# Altium PCB MOTHER_BOARD_LS1021_v1.0.PcbDoc (part 14 of 15)
Units mm, origin at the board's own origin, x right, y up, seen from the top; angles counter-clockwise.
Board outline 285 x 90.6 mm, 10 copper layers (TOP, GND1, SIGNAL1, GND+PWR1, POWER1, POWER2, GND+PWR2, SIGNAL2, GND2, BOTTOM), stack 1.739 mm thick; 1099 components, 832 nets, 4657 pads, 2737 vias.
Unrouted connection lines stored in the file: 7.
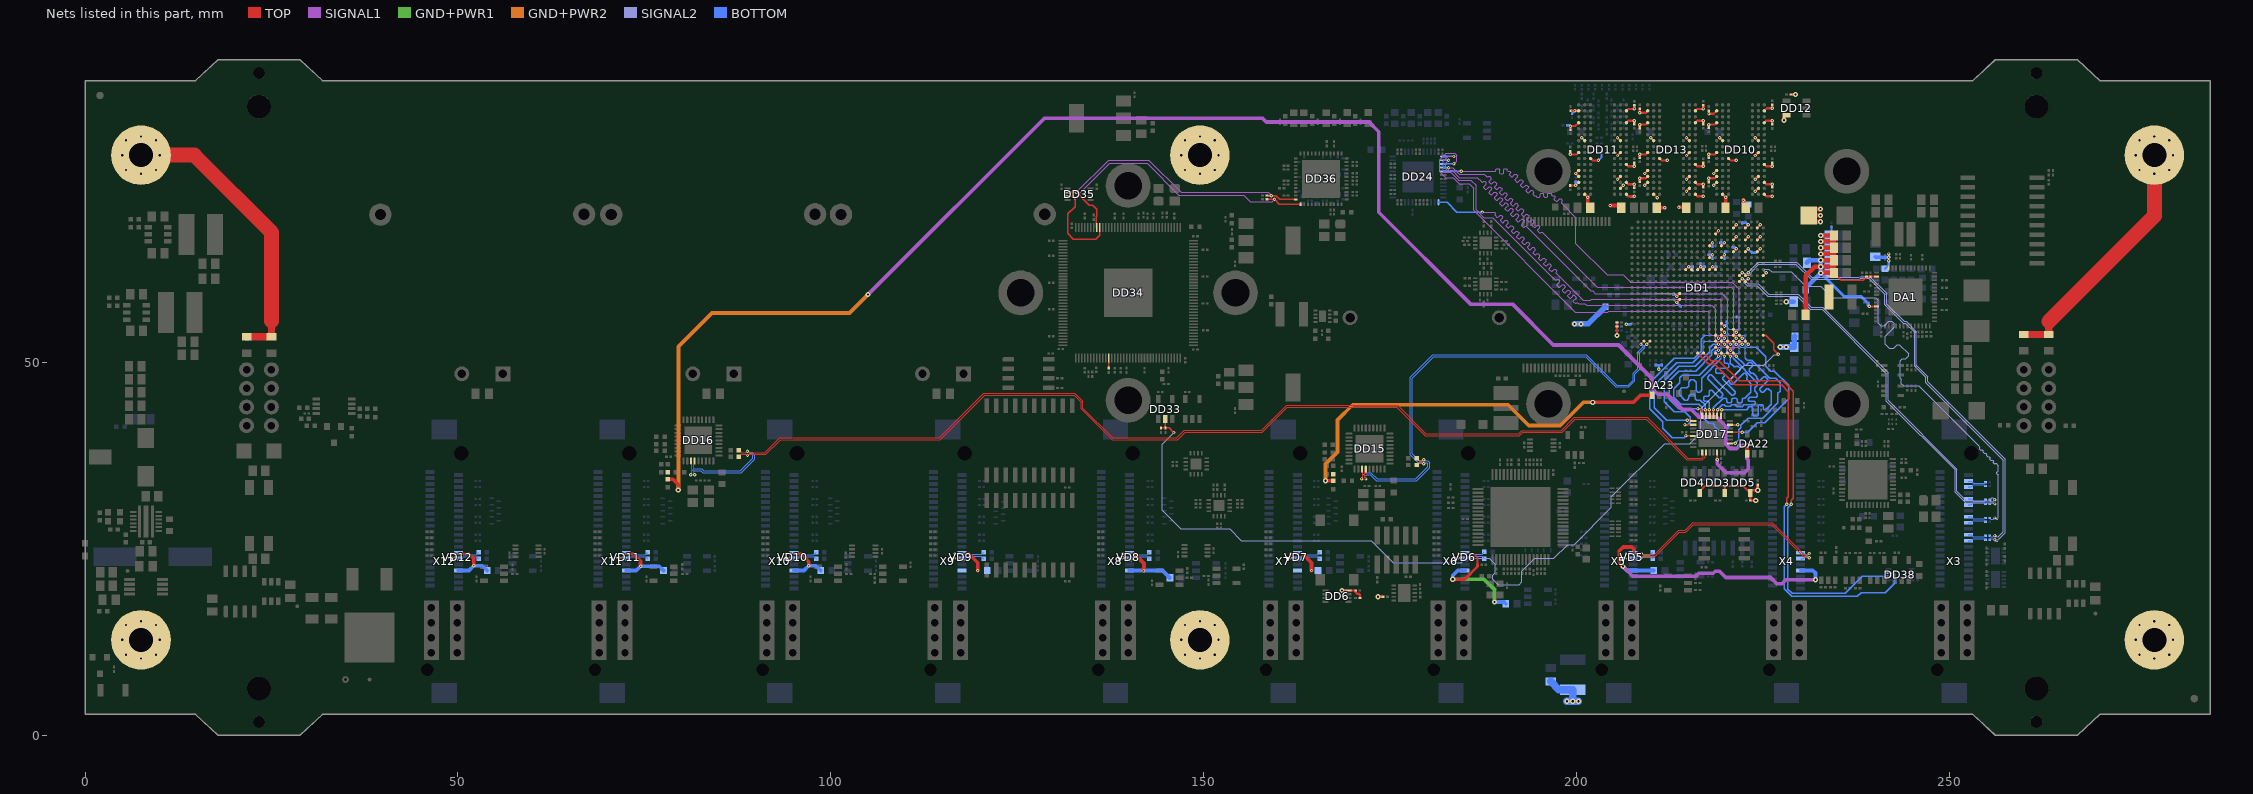
[diagram p22: the nets of this part, all layers, seen from the top]

## Via types
v1: diameter 0.45, hole 0.2, TOP to BOTTOM, tented both sides, 1587 vias
v2: diameter 0.7, hole 0.3, TOP to BOTTOM, tented both sides, 1134 vias
v3: diameter 0.45, hole 0.2, TOP to BOTTOM, tented bottom, 16 vias

## Nets (pads, with @x,y where several pads share a name; then routed paths per layer and width w, separated by ;. In a path a pad name is that pad's centre, name@x,y a point inside that pad or via, vN(x,y) a via of type N, cw(c..) or ccw(c..) an arc to the next point about the centre after c; other vN are vias at no path point) (continued)
SD1_RX3_P: C332.1 DD1.AC14 | length 63.3
  TOP w0.12: DD1.AC14@225.05,61.65 v1(225.45,62.05)
  SIGNAL2 w0.075: v1(225.45,62.05) 225.349,62.05 225.25,62.149 225.221,62.149 225.177,62.193 225.177,62.392 225.286,62.5 225.804,62.5 226.159,62.145 228.82,62.145 230.719,60.245 232.739,60.245 234.309,58.675 240.15,58.675 240.47,58.355 240.47,55.267 240.792,54.945 241.356,54.945 241.911,55.5 242.3,55.5 242.625,55.175 242.625,54.725 241.395,53.495 241.395,52.444 241.919,51.92 242.531,51.92 243.011,52.4 243.289,52.4 244.55,51.139 244.55,50.9 244.175,50.525 243.714,50.525 243.42,50.231 243.42,47.91 243.561,47.769 243.561,47.178 243.889,46.85 245.875,46.85 253.85,38.875 254.111,38.614 254.111,38.522 254.076,38.487 254.076,38.395 254.214,38.257 254.306,38.257 254.341,38.292 254.433,38.292 254.571,38.154 254.571,38.062 254.536,38.028 254.536,37.936 254.674,37.798 254.766,37.798 254.8,37.833 254.892,37.833 255.03,37.695 255.03,37.603 254.995,37.568 254.995,37.476 255.133,37.338 255.225,37.338 255.26,37.373 255.352,37.373 255.49,37.235 255.49,37.143 255.455,37.108 255.455,37.016 255.593,36.879 255.685,36.879 255.72,36.913 255.812,36.913 255.95,36.775 255.95,36.684 255.915,36.649 255.915,36.557 256.053,36.419 256.144,36.419 256.179,36.454 256.271,36.454 256.455,36.27 256.57,36.155 256.57,35.981 256.57,35.656 256.57,35.396 256.505,35.331 256.456,35.331 256.391,35.266 256.391,35.071 256.456,35.006 256.505,35.006 256.57,34.941 256.57,34.844 256.57,29.097 256.475,29.002 256.356,29.002 256.209,29.15 v1(256.125,29.15)
  BOTTOM w0.12: C332.1@255.4,29.15 255.425,29.15 255.515,29.06 255.515,29.055 255.585,28.985 255.871,28.985 256.036,29.15 v1(256.125,29.15)
SD1_TX2_N: C331.1 DD1.Y13 | length 52
  TOP w0.12: DD1.Y13@222.65,60.85 v1(223.05,61.25)
  SIGNAL2 w0.075: v1(223.05,61.25) 222.949,61.25 222.85,61.151 222.821,61.151 222.777,61.107 222.777,60.798 223.02,60.555 224.37,60.555 225.77,59.155 229.72,59.155 231.47,57.405 233.045,57.405 241.825,48.625 241.825,44.9 251.025,35.7 251.025,32.7 252.298,31.427 255.575,31.427 255.65,31.503 255.65,31.775 255.725,31.85 255.85,31.85 v1(256.125,31.575)
  BOTTOM w0.12: C331.1@255.4,31.575 255.425,31.575 255.515,31.485 255.515,31.48 255.585,31.41 255.871,31.41 256.036,31.575 v1(256.125,31.575)
SD1_TX2_P: C330.1 DD1.W13 | length 52
  TOP w0.12: DD1.W13@221.85,60.85 v1(222.25,61.25)
  SIGNAL2 w0.075: v1(222.25,61.25) 222.351,61.25 222.45,61.151 222.479,61.151 222.522,61.107 222.522,60.692 222.914,60.3 224.264,60.3 225.664,58.9 229.614,58.9 231.364,57.15 232.939,57.15 241.57,48.519 241.57,44.794 250.77,35.594 250.77,32.594 252.192,31.172 255.894,31.172 256.041,31.025 v1(256.125,31.025)
  BOTTOM w0.12: C330.1@255.4,31.025 255.425,31.025 255.515,31.115 255.515,31.12 255.585,31.19 255.871,31.19 256.036,31.025 v1(256.125,31.025)
SD1_TX3_N: C335.1 DD1.Y14 | length 63.3
  TOP w0.12: DD1.Y14@222.65,61.65 v1(223.05,62.05)
  SIGNAL2 w0.075: v1(223.05,62.05) 223.05,62.123 224.357,63.43 229.545,63.43 231.575,61.4 237.889,61.4 238.014,61.525 239.325,61.525 241.6,59.25 241.6,57.836 243.931,55.505 244.231,55.505 245.6,54.136 245.6,49.6 247.093,48.107 247.093,47.393 257.475,37.011 257.475,27.161 256.686,26.372 256.63,26.372 256.55,26.292 256.55,26.125 256.475,26.05 256.3,26.05 v1(256.125,26.225) v1@256.041,26.225
  BOTTOM w0.12: C335.1@255.4,26.225 255.425,26.225 255.515,26.315 255.515,26.32 255.585,26.39 255.871,26.39 256.036,26.225 v1(256.125,26.225)
SD1_TX3_P: C334.1 DD1.W14 | length 63.2
  TOP w0.12: DD1.W14@221.85,61.65 v1(222.25,62.05)
  SIGNAL2 w0.075: v1(222.25,62.05) 222.305,61.994 222.587,61.994 222.894,61.687 223.2,61.687 223.412,61.9 223.412,62.125 224.462,63.175 229.439,63.175 231.469,61.145 237.995,61.145 238.12,61.27 239.219,61.27 241.345,59.144 241.345,57.73 243.825,55.25 244.125,55.25 245.345,54.03 245.345,49.494 246.838,48.002 246.838,47.287 257.22,36.905 257.22,27.267 256.581,26.627 256.356,26.627 256.209,26.775 v1(256.125,26.775)
  BOTTOM w0.12: C334.1@255.4,26.775 255.425,26.775 255.515,26.685 255.515,26.68 255.585,26.61 255.871,26.61 256.036,26.775 v1(256.125,26.775)
SGMII0_RX_N: C329.2 X3.36 | length 2.5
  BOTTOM w0.12: X3.36@252.575,33.3 252.925,33.3 253.115,33.49 253.115,33.52 253.185,33.59 253.355,33.59 254.685,33.59 254.825,33.45 C329.2@254.85,33.45
SGMII0_RX_P: C328.2 X3.38 | length 2.5
  BOTTOM w0.12: X3.38@252.575,34.1 252.925,34.1 253.115,33.91 253.115,33.88 253.185,33.81 253.446,33.81 254.685,33.81 254.825,33.95 C328.2@254.85,33.95
SGMII0_TX_N: C331.2 X3.32 | length 2.5
  BOTTOM w0.12: X3.32@252.575,31.7 252.925,31.7 253.115,31.51 253.115,31.48 253.185,31.41 253.452,31.41 254.495,31.41 254.665,31.41 254.735,31.48 254.735,31.485 254.825,31.575 C331.2@254.85,31.575
SGMII0_TX_P: C330.2 X3.30 | length 2.5
  BOTTOM w0.12: X3.30@252.575,30.9 252.925,30.9 253.115,31.09 253.115,31.12 253.185,31.19 253.361,31.19 254.404,31.19 254.665,31.19 254.735,31.12 254.735,31.115 254.825,31.025 C330.2@254.85,31.025
SGMII1_RX_N: C333.2 X3.24 | length 2.5
  BOTTOM w0.12: X3.24@252.575,28.5 252.925,28.5 253.115,28.69 253.115,28.72 253.185,28.79 253.355,28.79 254.685,28.79 254.825,28.65 C333.2@254.85,28.65
SGMII1_RX_P: C332.2 X3.26 | length 2.5
  BOTTOM w0.12: X3.26@252.575,29.3 252.925,29.3 253.115,29.11 253.115,29.08 253.185,29.01 253.446,29.01 254.685,29.01 254.825,29.15 C332.2@254.85,29.15
SGMII1_TX_N: C335.2 X3.18 | length 2.5
  BOTTOM w0.12: X3.18@252.575,26.1 252.925,26.1 253.115,26.29 253.115,26.32 253.185,26.39 253.355,26.39 254.665,26.39 254.735,26.32 254.735,26.315 254.825,26.225 C335.2@254.85,26.225
SGMII1_TX_P: C334.2 X3.20 | length 2.5
  BOTTOM w0.12: X3.20@252.575,26.9 252.925,26.9 253.115,26.71 253.115,26.68 253.185,26.61 253.446,26.61 254.665,26.61 254.735,26.68 254.735,26.685 254.825,26.775 C334.2@254.85,26.775
SHIELD: C322.2 pad.1@7.5,12.8 pad.1@7.5,77.8 pad.1@149.5,12.8 pad.1@149.5,77.8 pad.1@277.5,12.8 pad.1@277.5,77.8 R211.1 RU1.1 RU2.2 RU3.1 RU4.2 | length 78.9
  TOP w1: RU3.1@21.675,53.45 RU4.2@25,53.45 25,55.575 ; RU2.2@260,53.75 RU1.1@263.35,53.75 263.35,55.5
  TOP w2: pad.1@7.5,77.8 14.65,77.8 25,67.45 25,55.575 ; 263.35,55.5 277.5,69.65 pad.1@277.5,77.8
  BOTTOM w1: R211.1@196.55,7.225 197.65,6.125 C322.2@199.5,6.125 v2(199.5,4.575) ; v2(198.725,4.575) v2(199.5,4.575) ; v2(200.275,4.575) v2(199.5,4.575)
  other v2: 7.5,10.3 149.5,10.3 277.5,10.3 5.5,10.8 9.5,10.8 147.5,10.8 151.5,10.8 275.5,10.8 279.5,10.8 5,12.8 10,12.8 147,12.8 152,12.8 275,12.8 280,12.8 5.5,14.8 9.5,14.8 147.5,14.8 151.5,14.8 275.5,14.8 279.5,14.8 7.5,15.3 149.5,15.3 277.5,15.3 7.5,75.3 149.5,75.3 277.5,75.3 5.5,75.8 9.5,75.8 147.5,75.8 151.5,75.8 275.5,75.8 279.5,75.8 5,77.8 10,77.8 147,77.8 152,77.8 275,77.8 280,77.8 5.5,79.8 9.5,79.8 147.5,79.8 151.5,79.8 275.5,79.8 279.5,79.8 7.5,80.3 149.5,80.3 277.5,80.3
SW_MDC: DD34.101 DD35.2 DD36.36 R287.2 | length 41.4
  TOP w0.196: DD35.2@131.75,72.8 v1(132.935,72.8) 134.653,71.083 135.137,71.083 135.704,70.516 135.704,69.618 135.623,69.537 135.623,68.127 DD34.101@135.675,68.075 ; R287.2@158.475,72.375 v1(159.09,72.375) 159.702,72.375 160.202,71.875 DD36.36@162.35,71.875
  SIGNAL1 w0.113: v1(132.935,72.8) 137.286,77.15 142.646,77.15 146.985,72.812 158.653,72.812 v1(159.09,72.375)
SW_MDIO: DD34.100 DD35.3 DD36.37 R289.2 | length 47.8
  TOP w0.196: DD35.3@131.75,72.3 132.517,72.3 v1(132.757,72.06) 132.757,70.915 131.761,69.92 131.761,67.333 132.55,66.545 135.57,66.545 136.075,67.05 DD34.100@136.075,68.075 ; R289.2@158.475,71.875 v1(159.51,71.875) 160.16,71.225 DD36.37@163,71.225
  SIGNAL1 w0.113: v1(132.757,72.06) 137.391,76.694 142.419,76.694 146.664,72.448 155.388,72.448 156.268,71.568 159.203,71.568 v1(159.51,71.875)
SWITCH_ADDR2: DD34.12 R274.2 | length 1.3
  TOP w0.196: R274.2@137.275,49.275 DD34.12@137.275,50.575
SWITCH_RST: DD1.AC4 DD33.2 R268.2 R269.2 | length 123
  TOP w0.196: R268.2@144.3,41.225 R269.2@144.875,41.225 ; DD33.2@144.875,42.4 R269.2@144.875,41.225 ; v1(146.025,40.6) 145.4,41.225 R269.2@144.875,41.225 ; DD1.AC4@225.05,53.65 225.375,53.65 226.475,52.55 226.475,51.731 227.086,51.12 v1(227.086,51.102)
  SIGNAL2 w0.113: v1(146.025,40.6) 144.45,39.025 144.45,30.193 146.968,27.675 153.475,27.675 155.05,26.1 172.487,26.1 175.437,23.15 184.552,23.15 185.173,23.77 188.278,23.77 189.1,22.948 189.1,21.775 188.808,21.483 188.808,20.908 189.516,20.2 192.3,20.2 192.682,20.582 192.682,21.982 194.425,23.725 196.95,23.725 198.8,25.575 199.7,25.575 204.7,30.575 204.7,31.975 211.85,39.125 215.168,39.125 216.681,40.638 216.681,43.807 222.508,49.633 225.127,49.633 226.542,51.048 227.032,51.048 v1(227.086,51.102)
TA_BB_VDD: C157.2 C169.2 DD1.T6 L12.2 R72.1 | length 8.7
  TOP w0.3: DD1.T6@219.45,55.25 v1(219.85,54.85)
  BOTTOM w0.14: v1(219.85,54.85) 220.075,54.85 220.465,54.46 220.481,54.46 220.486,54.455 221.655,54.455 221.85,54.65 221.85,55.96 221.71,56.1 R72.1@221.45,56.1
  BOTTOM w0.3: v1(219.85,54.85) 220.175,55.175 C169.2@220.175,55.45
  BOTTOM w0.75: v2(227.325,52.075) v2(228.15,52.075) C157.2@229.2,52.075 229.2,53.4 L12.2@229.3,53.5
TX_CLK: DD1.V5 DD24.29 | length 62.9
  TOP w0.196: DD1.V5@221.05,54.45 v1(221.45,54.05)
  SIGNAL1 w0.113: v1(184.55,75.625) 188.953,75.625 189.107,75.625 189.21,75.728 189.21,75.857 189.312,75.959 189.62,75.959 189.723,75.857 189.723,75.625 189.723,75.393 189.825,75.291 190.133,75.291 190.236,75.393 190.236,75.625 190.236,75.857 190.338,75.959 190.646,75.959 190.749,75.857 190.749,75.728 190.851,75.625 191.05,75.625 191.159,75.516 191.159,75.371 191.068,75.28 191.068,75.135 191.285,74.917 191.43,74.917 191.594,75.081 191.758,75.245 191.903,75.245 192.121,75.027 192.121,74.882 191.957,74.718 191.793,74.554 191.793,74.409 192.011,74.192 192.156,74.192 192.32,74.355 192.483,74.519 192.629,74.519 192.846,74.302 192.846,74.156 192.682,73.993 192.519,73.829 192.519,73.684 192.736,73.466 192.881,73.466 193.045,73.63 193.209,73.794 193.354,73.794 193.572,73.576 193.572,73.431 193.408,73.267 193.244,73.103 193.244,72.958 193.462,72.741 193.607,72.741 193.771,72.904 193.934,73.068 194.08,73.068 194.297,72.851 194.297,72.705 194.206,72.614 194.206,72.469 194.35,72.325 194.54,72.325 194.606,72.259 194.709,72.156 195.017,72.156 195.119,72.259 195.119,72.325 195.119,72.557 195.222,72.659 195.53,72.659 195.632,72.557 195.632,72.325 195.632,72.275 195.735,72.172 196.043,72.172 196.145,72.275 196.145,72.325 196.145,72.557 196.248,72.659 196.556,72.659 196.658,72.557 196.658,72.428 196.761,72.325 197.025,72.325 197.134,72.216 197.134,72.071 197.043,71.98 197.043,71.835 197.26,71.617 197.405,71.617 197.569,71.781 197.733,71.945 197.878,71.945 198.096,71.727 198.096,71.582 198.004,71.491 198.004,71.346 199.925,69.425 199.925,69.169 199.925,69.125 199.925,65.95 204.1,61.775 206.248,61.775 207.298,60.725 220.914,60.725 221.831,59.808 221.831,54.431 v1(221.45,54.05)
  BOTTOM w0.196: DD24.29@182.15,75.625 v1(184.55,75.625)
TX_CTRL: DD1.Y3 DD24.37 | length 62.9
  TOP w0.196: DD1.Y3@222.65,52.85 v1(223.05,52.45)
  SIGNAL1 w0.113: v1(187.361,70.175) 188.218,70.175 188.475,70.175 188.988,70.175 189.075,70.175 189.184,70.066 189.184,69.921 189.117,69.854 189.117,69.709 189.334,69.491 189.48,69.491 189.619,69.631 189.759,69.77 189.904,69.77 190.121,69.553 190.121,69.408 189.982,69.268 189.842,69.129 189.842,68.983 190.06,68.766 190.205,68.766 190.345,68.905 190.484,69.045 190.629,69.045 190.847,68.827 190.847,68.682 190.707,68.543 190.568,68.403 190.568,68.258 190.785,68.04 190.931,68.04 191.07,68.18 191.21,68.319 191.355,68.319 191.572,68.102 191.572,67.957 191.433,67.817 191.293,67.678 191.293,67.532 191.511,67.315 191.656,67.315 191.796,67.454 191.935,67.594 192.08,67.594 192.298,67.376 192.298,67.231 192.158,67.092 192.019,66.952 192.019,66.807 192.236,66.589 192.381,66.589 192.521,66.729 192.661,66.869 192.806,66.869 193.023,66.651 193.023,66.506 192.884,66.366 192.744,66.227 192.744,66.081 192.962,65.864 193.107,65.864 193.247,66.003 193.386,66.143 193.531,66.143 193.749,65.925 193.749,65.78 193.609,65.641 193.47,65.501 193.47,65.356 193.687,65.138 193.832,65.138 193.972,65.278 194.112,65.418 194.257,65.418 194.474,65.2 194.474,65.055 194.335,64.915 194.195,64.776 194.195,64.631 194.413,64.413 194.558,64.413 194.698,64.552 194.718,64.573 194.863,64.573 195.081,64.355 195.081,64.21 195.06,64.19 194.921,64.05 194.921,63.905 195.138,63.687 195.283,63.687 195.423,63.827 195.563,63.967 195.708,63.967 195.925,63.749 195.925,63.604 195.786,63.464 195.646,63.325 195.646,63.18 195.864,62.962 196.009,62.962 196.149,63.101 196.288,63.241 196.433,63.241 196.651,63.023 196.651,62.878 196.511,62.739 196.372,62.599 196.372,62.454 196.589,62.236 196.734,62.236 196.874,62.376 197.014,62.516 197.159,62.516 197.376,62.298 197.376,62.153 197.309,62.086 197.309,61.941 197.699,61.551 200.88,58.37 201.895,58.37 201.993,58.468 219.232,58.468 219.431,58.269 219.431,53.929 219.692,53.668 219.971,53.668 220.268,53.371 220.268,53.092 220.492,52.868 222.631,52.868 v1(223.05,52.45)
  BOTTOM w0.196: DD24.37@181.5,71.475 182.675,71.475 183.975,70.175 v1(187.361,70.175)
TX_D0: DD1.W4 DD24.28 | length 62.9
  TOP w0.196: DD1.W4@221.85,53.65 v1(222.25,53.25)
  SIGNAL1 w0.113: v1(182.85,76.125) 183.4,76.125 184.31,75.215 187.661,75.215 187.885,74.991 187.994,74.882 188.139,74.882 188.203,74.947 188.348,74.947 188.566,74.729 188.566,74.584 188.429,74.447 188.292,74.31 188.292,74.165 188.51,73.947 188.655,73.947 188.792,74.084 188.929,74.221 189.074,74.221 189.292,74.004 189.292,73.858 189.154,73.721 189.017,73.584 189.017,73.439 189.235,73.221 189.38,73.221 189.517,73.359 189.654,73.496 189.799,73.496 190.017,73.278 190.017,73.133 189.88,72.996 189.743,72.859 189.743,72.714 189.96,72.496 190.106,72.496 190.243,72.633 190.38,72.77 190.525,72.77 190.743,72.553 190.743,72.407 190.605,72.27 190.468,72.133 190.468,71.988 190.686,71.771 190.831,71.771 190.968,71.908 191.105,72.045 191.25,72.045 191.468,71.827 191.468,71.682 191.331,71.545 191.194,71.408 191.194,71.263 191.411,71.045 191.557,71.045 191.694,71.182 191.831,71.319 191.976,71.319 192.193,71.102 192.193,70.956 192.056,70.819 191.919,70.682 191.919,70.537 192.137,70.32 192.282,70.32 192.419,70.457 192.556,70.594 192.701,70.594 192.919,70.376 192.919,70.231 192.782,70.094 192.645,69.957 192.645,69.812 192.862,69.594 193.008,69.594 193.145,69.731 193.282,69.868 193.427,69.868 193.644,69.651 193.644,69.505 193.507,69.368 193.37,69.231 193.37,69.086 193.588,68.869 193.733,68.869 193.87,69.006 194.007,69.143 194.152,69.143 194.37,68.925 194.37,68.78 194.233,68.643 194.096,68.506 194.096,68.361 194.313,68.143 194.459,68.143 194.596,68.28 194.733,68.417 194.878,68.417 195.095,68.2 195.095,68.054 194.958,67.917 194.821,67.78 194.821,67.635 195.039,67.418 195.184,67.418 195.249,67.482 195.394,67.482 195.8,67.075 202.816,60.059 220.78,60.059 221.068,59.771 221.068,53.892 221.292,53.668 221.831,53.668 v1(222.25,53.25)
  BOTTOM w0.196: DD24.28@182.15,76.125 v1(182.85,76.125)
TX_D1: DD1.W3 DD24.27 | length 62.9
  TOP w0.196: DD1.W3@221.85,52.85 v1(222.25,52.45)
  SIGNAL1 w0.113: v1(183.575,76.625) 183.957,77.007 183.957,77.818 183.7,78.075 182.55,78.075 181.681,77.206 181.681,75.544 182.482,74.743 183.457,74.743 184.25,73.95 185.636,73.95 186.2,73.386 186.2,70.414 199.871,56.744 204.194,56.744 204.31,56.859 217.58,56.859 217.831,56.608 217.831,53.929 218.117,53.643 218.396,53.643 218.645,53.394 218.645,53.115 218.92,52.841 219.199,52.841 219.45,52.59 219.45,52.31 219.729,52.031 220.008,52.031 220.231,51.808 220.231,51.529 220.492,51.268 220.808,51.268 221.031,51.492 221.031,51.771 221.292,52.031 221.571,52.031 221.954,52.414 222.214,52.414 v1(222.25,52.45)
  BOTTOM w0.196: DD24.27@182.15,76.625 v1(183.575,76.625)
TX_D2: DD1.V4 DD24.26 | length 62.8
  TOP w0.196: DD1.V4@221.05,53.65 v1(221.45,53.25)
  SIGNAL1 w0.113: v1(182.85,77.125) 182.468,76.743 182.468,75.967 182.692,75.743 183.332,75.743 184.275,74.8 186.7,74.8 187.201,74.299 187.31,74.19 187.455,74.19 187.558,74.292 187.703,74.292 187.921,74.074 187.921,73.929 187.746,73.754 187.571,73.579 187.571,73.434 187.788,73.217 187.933,73.217 188.108,73.392 188.283,73.567 188.428,73.567 188.646,73.349 188.646,73.204 188.471,73.029 188.296,72.854 188.296,72.709 188.514,72.491 188.659,72.491 188.834,72.666 189.009,72.841 189.154,72.841 189.372,72.623 189.372,72.478 189.197,72.303 189.022,72.128 189.022,71.983 189.239,71.766 189.384,71.766 189.559,71.941 189.734,72.116 189.879,72.116 190.097,71.898 190.097,71.753 189.922,71.578 189.747,71.403 189.747,71.258 189.965,71.04 190.11,71.04 190.285,71.215 190.46,71.39 190.605,71.39 190.823,71.172 190.823,71.027 190.648,70.852 190.473,70.677 190.473,70.532 190.69,70.315 190.835,70.315 191.01,70.49 191.185,70.665 191.33,70.665 191.548,70.447 191.548,70.302 191.373,70.127 191.198,69.952 191.198,69.807 191.416,69.589 191.561,69.589 191.736,69.764 191.911,69.939 192.056,69.939 192.273,69.721 192.273,69.576 192.099,69.401 191.924,69.227 191.924,69.081 192.141,68.864 192.286,68.864 192.461,69.039 192.636,69.214 192.781,69.214 192.999,68.996 192.999,68.851 192.824,68.676 192.649,68.501 192.649,68.356 192.867,68.138 193.012,68.138 193.114,68.241 193.259,68.241 195.538,65.962 201.9,59.6 202.175,59.6 202.544,59.231 219.544,59.231 220.268,58.507 220.268,53.892 220.492,53.668 220.991,53.668 221.409,53.25 v1(221.45,53.25)
  BOTTOM w0.196: DD24.26@182.15,77.125 v1(182.85,77.125)
TX_D3: DD1.V3 DD24.25 | length 62.8
  TOP w0.196: DD1.V3@221.05,52.85 v1(221.45,52.45)
  SIGNAL1 w0.113: v1(183.575,77.625) 182.81,77.625 182.15,76.965 182.15,75.743 182.363,75.53 183.145,75.53 184.219,74.456 185.844,74.456 186.55,73.75 186.55,70.447 187.572,69.425 188.791,69.425 197.046,61.17 197.155,61.062 197.3,61.062 197.402,61.164 197.547,61.164 197.765,60.946 197.765,60.801 197.59,60.626 197.415,60.451 197.415,60.306 197.633,60.089 197.778,60.089 197.953,60.264 198.128,60.439 198.273,60.439 198.49,60.221 198.49,60.076 198.315,59.901 198.14,59.726 198.14,59.581 198.358,59.363 198.503,59.363 198.678,59.538 198.853,59.713 198.998,59.713 199.216,59.495 199.216,59.35 199.041,59.175 198.866,59 198.866,58.855 199.084,58.638 199.229,58.638 199.404,58.813 199.579,58.988 199.724,58.988 199.941,58.77 199.941,58.625 199.766,58.45 199.591,58.275 199.591,58.13 199.809,57.912 199.954,57.912 200.057,58.015 200.202,58.015 200.341,57.875 201.141,57.875 201.366,57.65 218.125,57.65 218.65,57.125 218.65,53.91 218.915,53.645 219.194,53.645 219.441,53.399 219.441,53.12 219.71,52.85 219.989,52.85 220.231,52.608 220.231,52.329 220.492,52.068 220.863,52.068 221.181,52.387 221.387,52.387 v1(221.45,52.45)
  BOTTOM w0.196: DD24.25@182.15,77.625 v1(183.575,77.625)
UART1_RXD: DD1.M1 DD38.3 | length 59.1
  TOP w0.196: DD1.M1@216.25,51.25 217.7,49.8 218.495,49.8 221.295,47 227.5,47 228.4,46.1 228.4,31.975 228.2,31.775 v1(228.2,30.975)
  BOTTOM w0.196: v1(228.2,30.975) 227.845,30.62 227.845,19.63 228.85,18.625 237.675,18.625 238.2,19.15 241.4,19.15 242.675,20.425 242.675,21.575 242.45,21.8 DD38.3@241.825,21.8
UART1_TXD: DD1.N1 DD38.2 | length 55.6
  TOP w0.196: DD1.N1@217.05,51.25 218.05,50.25 219.109,50.25 221.834,47.525 227.675,47.525 229.05,46.15 229.05,31.775 228.825,31.55 v1(228.825,30.975)
  BOTTOM w0.196: v1(228.825,30.975) 228.35,30.5 228.35,19.615 228.915,19.05 236.075,19.05 238.325,21.3 DD38.2@241.825,21.3
USB1_D_N: R127.1 VD5.2 X4.12 X5.12 | length 32
  TOP w0.15: v1(206.65,23.825) 206.663,23.837 VD5.2@207.112,23.837 ; v1(208.704,23.825) 208.785,23.825 208.935,23.975 210.529,23.975 213.804,27.25 214.675,27.25 215.675,28.25 226.175,28.25 230.45,23.975 230.994,23.975 231.144,23.825 v1(231.225,23.825)
  BOTTOM w0.15: v1(206.65,23.825) 207.45,23.825 X5.12@207.575,23.7 207.925,23.7 208.1,23.875 208.1,23.887 208.188,23.975 208.472,23.975 208.622,23.825 v1(208.704,23.825) 208.785,23.825 208.935,23.975 209.337,23.975 209.912,23.975 210,23.887 210,23.875 R127.1@210.225,23.65 ; X4.12@230.075,23.7 230.425,23.7 230.6,23.875 230.6,23.887 230.688,23.975 230.994,23.975 231.144,23.825 v1(231.225,23.825)
USB1_D_P: R128.1 VD5.1 X4.14 X5.14 | length 32
  TOP w0.15: v1(206.65,24.375) 206.663,24.362 VD5.1@207.137,24.362 ; v1(208.704,24.375) 208.785,24.375 208.935,24.225 210.425,24.225 213.7,27.5 214.571,27.5 215.571,28.5 226.279,28.5 230.554,24.225 230.994,24.225 231.144,24.375 v1(231.225,24.375)
  BOTTOM w0.15: v1(206.65,24.375) 207.45,24.375 X5.14@207.575,24.5 207.925,24.5 208.1,24.325 208.1,24.313 208.188,24.225 208.472,24.225 208.622,24.375 v1(208.704,24.375) 208.785,24.375 208.935,24.225 209.441,24.225 209.912,24.225 210,24.313 210,24.325 R128.1@210.225,24.55 ; X4.14@230.075,24.5 230.425,24.5 230.6,24.325 230.6,24.313 230.688,24.225 230.994,24.225 231.144,24.375 v1(231.225,24.375)
USB1_N: DD1.C3 DD15.30 R155.2 | length 65.9
  TOP w0.15: v1(171.225,34.375) 171.225,34.456 171.375,34.606 171.375,35.265 171.25,35.39 DD15.30@171.25,35.7 ; R155.2@178.575,36.25 178.8,36.475 178.8,36.487 178.888,36.575 179.294,36.575 179.444,36.425 v1(179.525,36.425) ; v1(208.65,52.45) DD1.C3@209.05,52.85
  BOTTOM w0.15: v1(171.225,34.375) 171.225,34.456 171.375,34.606 171.375,34.854 171.746,35.225 172.434,35.225 173.259,34.4 178.475,34.4 180.063,35.988 180.063,36.487 179.975,36.575 179.756,36.575 179.606,36.425 v1(179.525,36.425) 179.444,36.425 179.294,36.575 178.793,36.575 177.744,37.625 177.744,48.007 180.755,51.018 201.318,51.018 201.632,50.704 205.375,46.961 206.932,46.961 207.597,47.626 207.597,48.552 208.225,49.18 208.225,51.389 208.925,52.089 208.925,52.213 208.688,52.45 v1(208.65,52.45)
USB1_P: DD1.D3 DD15.31 R154.2 | length 65.9